# Altium PCB 400442.PcbDoc (part 2 of 4) (continued)
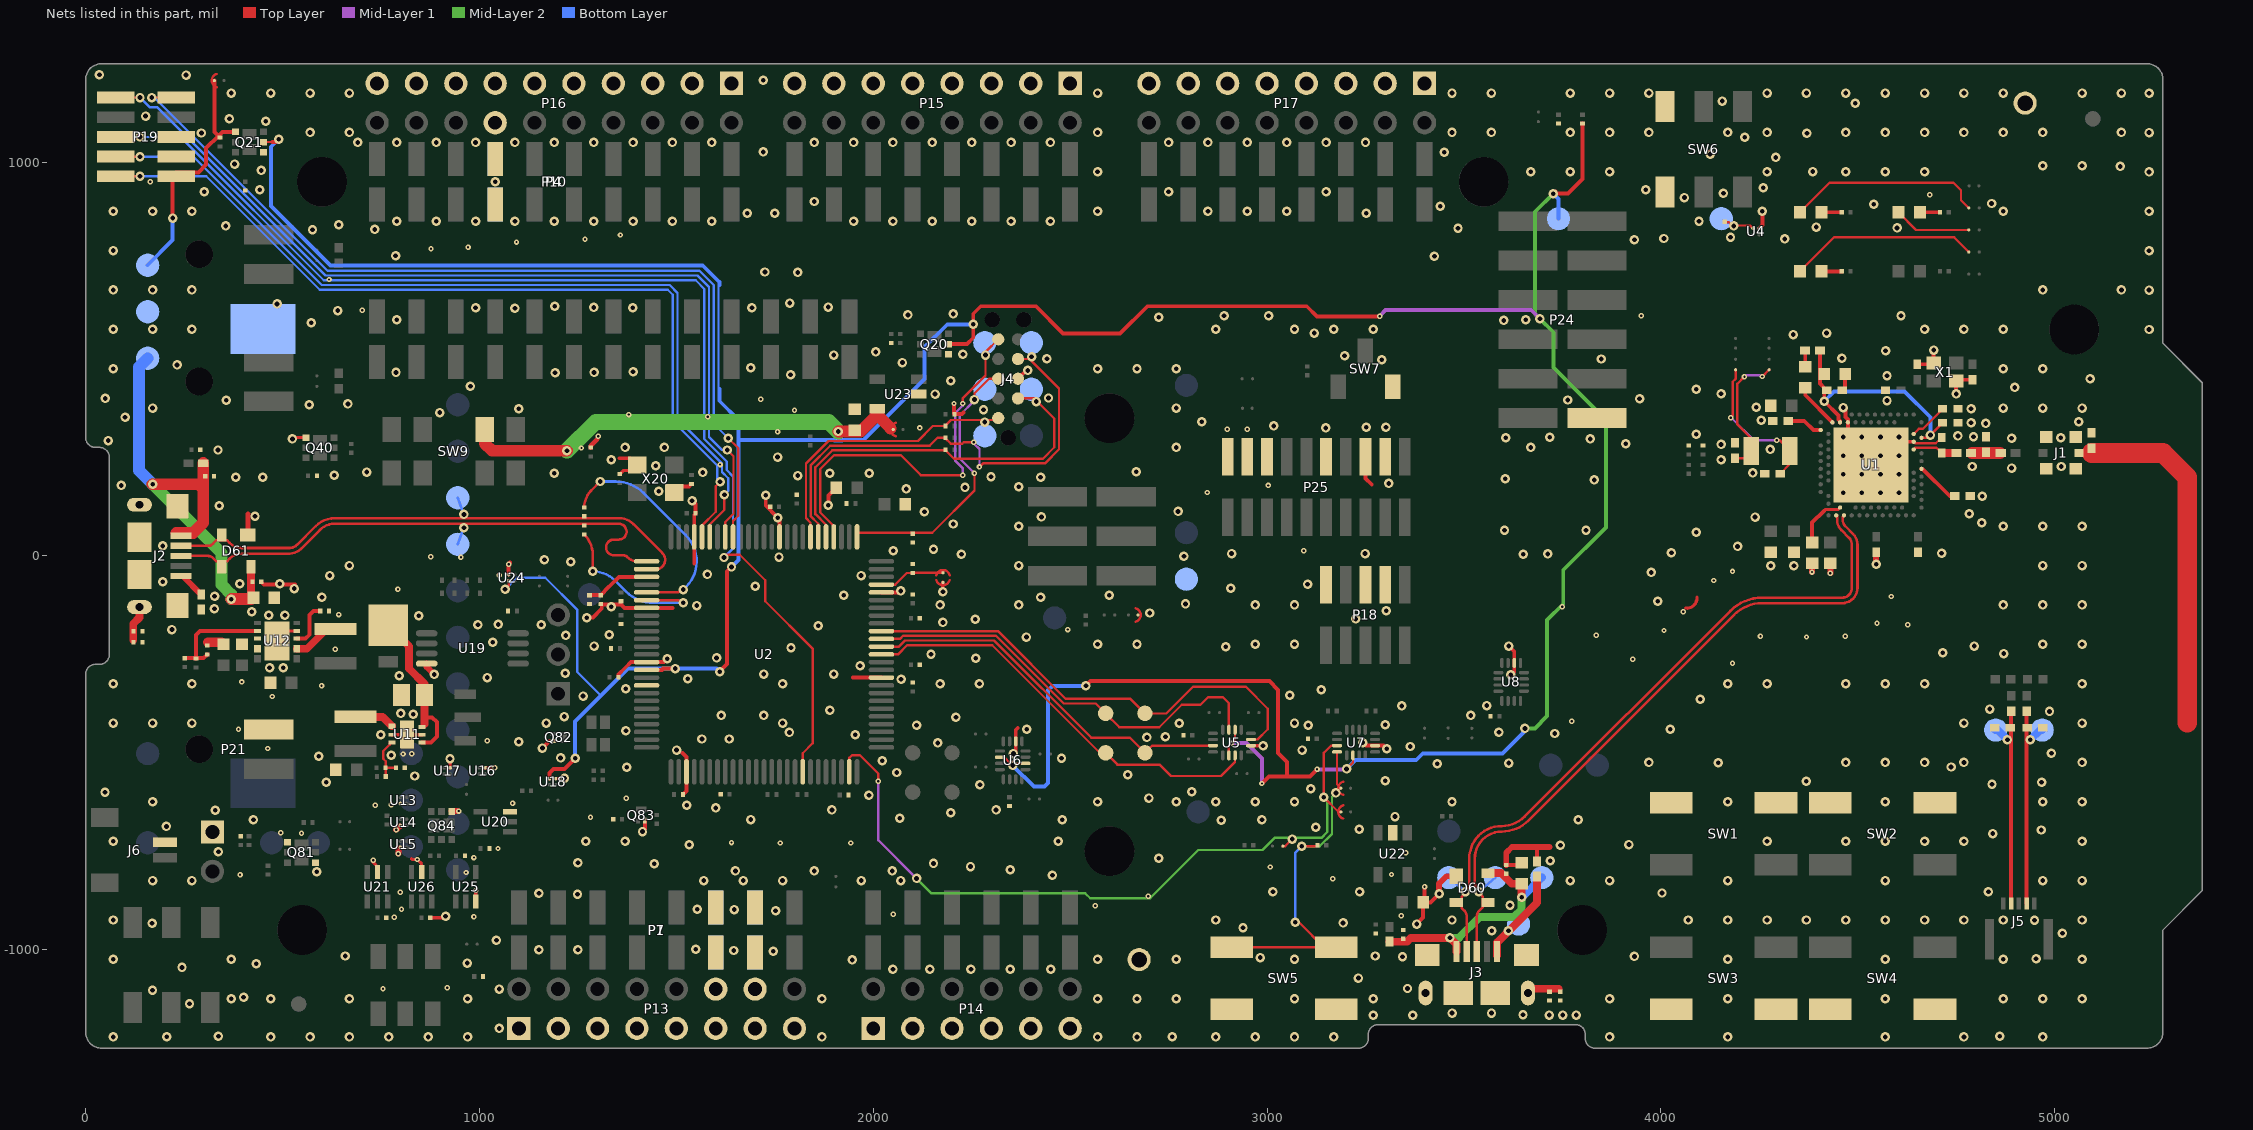
[diagram p4: the nets of this part, all layers, seen from the top]
## Part data (continued)
P28: library part "Pin List 1x3, N.C.", "Pin List 1x3, 2.54mm (100mil)", Part number IPS=N.A., Artikkelnr Noca=N.A., Assembly="Not mounted", ComponentLink1Description=Datasheet, ComponentLink2Description="Supplier link", Footprint Doc=LIST_1x3, LatestRevisionDate=2017-09-07, Part Number="Pin List 1x3, N.C.", Pin Count=3, Published=2017-09-07, Publisher="Nordic Semiconductor"
Q20 Q21 Q40 Q84: library part PMCPB5530X,115, "Mosfet Array N and P-Channel 20V 4A (Ta), 3.4A (Ta) 490mW Surface Mount 6-HUSON-EP (2x2)", Manufacturer=Nexperia, Part number IPS=N.A., Supplier Part Number 1=1727-1327-1-ND, Artikkelnr Noca=N.A., ComponentLink1Description=Datasheet, ComponentLink1URL=https://assets.nexperia.com/documents/data-sheet/PMCPB5530X.pdf, ComponentLink2Description="Supplier link", ComponentLink2URL=https://www.digikey.com/product-detail/en/nexperia-usa-inc/PMCPB5530X115/1727-1327-1-ND/4386339, Footprint Doc=6-UDFN, HelpURL=https://www.nexperia.com/products/mosfets/small-signal-mosfets/PMCPB5530X.html, LatestRevisionDate=2018-04-30, Manufacturer Part Number=PMCPB5530X,115, Part Number=PMCPB5530X,115, Pin Count=8, Published=2018-04-30, Publisher="Nordic Semiconductor", Supplier 1=Digi-Key, Supplier 2=Mouser, Supplier Part Number 2=771-PMCPB5530X115
Q80: "45V NPN high gain power transistor", Manufacturer="Diodes Incorporated", Part number IPS=00000009974, Supplier Part Number 1=FCX690BCT-ND, Artikkelnr Noca=35010019, ComponentLink1Description=Datasheet, ComponentLink2Description="Supplier link", Footprint Doc=SOT-89, HelpURL=http://www.diodes.com/_files/datasheets/FCX690B.pdf, LatestRevisionDate=2016-07-07, Manufacturer Part Number=FCX690BTA, Part Number=FCX690BTA, Pin Count=3, Published=2016-07-07, Publisher="Nordic Semiconductor", Supplier 1=Digi-Key
Q81: "Dual N Ch MOFET, 5.8A, 55mOhm max, 620mW", Manufacturer="Taiwan Semiconductor", Part number IPS=00000001703, Supplier Part Number 1=TSM250N02DCQRFGCT-ND, Artikkelnr Noca=N.A., ComponentLink1Description=Datasheet, ComponentLink1URL=https://www.taiwansemi.com/products/datasheet/TSM250N02D_B15.pdf, ComponentLink2Description="Supplier link", Footprint Doc=VDFN-6, HelpURL=https://www.taiwansemi.com/products/datasheet/TSM250N02D_B15.pdf, LatestRevisionDate=2018-10-31, Manufacturer Part Number="TSM250N02DCQ RFG", Part Number="TSM250N02DCQ RFG", Pin Count=6, Published=2018-10-31, Publisher="Nordic Semiconductor", Supplier 1=Digi-Key
Q82 Q83: "N-Channel MOSFET, 20V, 1A, 470mOhm, 400mW", Manufacturer="Rohm Semiconductor", Part number IPS=00000009976, Supplier Part Number 1=RV2C010UNT2LCT-ND, Artikkelnr Noca=35010020, ComponentLink1Description=Datasheet, ComponentLink2Description="Supplier link", Footprint Doc=DFN-3, HelpURL=http://rohmfs.rohm.com/en/products/databook/datasheet/discrete/transistor/mosfet/rv2c010unt2l-e.pdf, LatestRevisionDate=2016-08-09, Manufacturer Part Number=RV2C010UNT2L, Part Number=RV2C010UNT2L, Pin Count=3, Published=2016-08-09, Publisher="Nordic Semiconductor", Supplier 1=Digi-Key, Supplier 2=Mouser, Supplier Part Number 2=755-RV2C010UNT2L
R1 R2 R30: library part R0201-0R, "Resistor, ±5%, 0.05W", Part number IPS=00000003245, Artikkelnr Noca=N.A., ComponentLink1Description=Datasheet, ComponentLink2Description="Supplier link", Footprint Doc=0201, LatestRevisionDate=2017-11-09, Note="Chip Res 5%", Part Number=R0201-0R, Pin Count=2, Published=2014-11-13, Publisher="Nordic Semiconductor"
R3 R4 R5 R22 R23 R24 R27 R49 R99: library part R0201-10k, "Resistor, ±1%, 0.05W", Part number IPS=00000001255, Artikkelnr Noca=N.A., ComponentLink1Description=Datasheet, ComponentLink2Description="Supplier link", Footprint Doc=0201, LatestRevisionDate=2014-11-13, Note="Chip Res 1%", Part Number=R0201-10k, Pin Count=2, Published=2014-11-13, Publisher="Nordic Semiconductor"
R20 R21 R47 R48 R50 R51: library part R0201-220, "Resistor, ±1%, 0.05W", Part number IPS=00000000863, Artikkelnr Noca=N.A., ComponentLink1Description=Datasheet, ComponentLink2Description="Supplier link", Footprint Doc=0201, LatestRevisionDate=2014-11-13, Note="Chip Res 1%", Part Number=R0201-220, Pin Count=2, Published=2014-11-13, Publisher="Nordic Semiconductor"
R25: library part R0201-6k8, "Resistor, ±1%, 0.05W", Part number IPS=N.A., Artikkelnr Noca=N.A., ComponentLink1Description=Datasheet, ComponentLink2Description="Supplier link", Footprint Doc=0201, LatestRevisionDate=2014-11-13, Note="Chip Res 1%", Part Number=R0201-6k8, Pin Count=2, Published=2014-11-13, Publisher="Nordic Semiconductor"
R26: library part R0201-47k, "Resistor, ±1%, 0.05W", Part number IPS=00000001423, Artikkelnr Noca=N.A., ComponentLink1Description=Datasheet, ComponentLink2Description="Supplier link", Footprint Doc=0201, LatestRevisionDate=2014-11-13, Note="Chip Res 1%", Part Number=R0201-47k, Pin Count=2, Published=2014-11-13, Publisher="Nordic Semiconductor"
R28 R29: library part R0201-150, "Resistor, ±1%, 0.05W", Part number IPS=00000001420, Artikkelnr Noca=N.A., ComponentLink1Description=Datasheet, ComponentLink2Description="Supplier link", Footprint Doc=0201, LatestRevisionDate=2014-11-13, Note="Chip Res 1%", Part Number=R0201-150, Pin Count=2, Published=2014-11-13, Publisher="Nordic Semiconductor"
R40: library part R0201-150k, "Resistor, ±1%, 0.05W", Part number IPS=00000001422, Artikkelnr Noca=N.A., ComponentLink1Description=Datasheet, ComponentLink2Description="Supplier link", Footprint Doc=0201, LatestRevisionDate=2014-11-13, Note="Chip Res 1%", Part Number=R0201-150k, Pin Count=2, Published=2014-11-13, Publisher="Nordic Semiconductor"
R41 R62 R63 R68 R86 R87 R89 R96: library part R0201-1M0, "Resistor, ±1%, 0.05W", Part number IPS=00000001418, Artikkelnr Noca=N.A., ComponentLink1Description=Datasheet, ComponentLink2Description="Supplier link", Footprint Doc=0201, LatestRevisionDate=2014-11-13, Note="Chip Res 1%", Part Number=R0201-1M0, Pin Count=2, Published=2014-11-13, Publisher="Nordic Semiconductor"
R43 R45 R90 R91: library part R0402-N.C., "Not mounted", Part number IPS=N.A., Artikkelnr Noca=N.A., Assembly="Not mounted", ComponentLink1Description=Datasheet, ComponentLink2Description="Supplier link", Footprint Doc=0402, LatestRevisionDate=2009-05-08, Note="Chip Res", Part Number=R0402-N.C., Pin Count=2, Published=2009-05-08, Publisher="Nordic Semiconductor"
R44 R46: library part R0402-0R, "Resistor, ±5%, 0.063W", Part number IPS=00000007128, Supplier Part Number 1=146-9661, Artikkelnr Noca=27049000, ComponentLink1Description=Datasheet, ComponentLink2Description="Supplier link", Footprint Doc=0402, LatestRevisionDate=2009-11-23, Note="Chip Res 5%", Part Number=R0402-0R, Pin Count=2, Published=2009-05-08, Publisher="Nordic Semiconductor", Supplier 1=Farnell
R52 R53 R64 R65 R66 R67: library part R0201-4k7, "Resistor, ±1%, 0.05W", Part number IPS=00000001706, Artikkelnr Noca=N.A., ComponentLink1Description=Datasheet, ComponentLink2Description="Supplier link", Footprint Doc=0201, LatestRevisionDate=2014-11-13, Note="Chip Res 1%", Part Number=R0201-4k7, Pin Count=2, Published=2014-11-13, Publisher="Nordic Semiconductor"
R54: library part R0201-N.C., "Not mounted", Part number IPS=N.A., Artikkelnr Noca=N.A., Assembly="Not mounted", ComponentLink1Description=Datasheet, ComponentLink2Description="Supplier link", Footprint Doc=0201, LatestRevisionDate=2014-11-13, Note="Chip Res", Part Number=R0201-N.C., Pin Count=2, Published=2014-11-13, Publisher="Nordic Semiconductor"
R60 R61: library part R0201-39R, "Resistor, ±1%, 0.05W", Part number IPS=00000001704, Artikkelnr Noca=N.A., ComponentLink1Description=Datasheet, ComponentLink2Description="Supplier link", Footprint Doc=0201, LatestRevisionDate=2014-11-13, Note="Chip Res 1%", Part Number=R0201-39R, Pin Count=2, Published=2014-11-13, Publisher="Nordic Semiconductor"
R69: library part R0201-649, "Resistor, ±1%, 0.05W", Part number IPS=N.A., Artikkelnr Noca=N.A., ComponentLink1Description=Datasheet, ComponentLink2Description="Supplier link", Footprint Doc=0201, LatestRevisionDate=2019-07-16, Note="Chip Res 1%", Part Number=R0201-649, Pin Count=2, Published=2019-07-16, Publisher="Nordic Semiconductor"
R80: library part R0201-270k, "Resistor, ±1%, 0.05W", Part number IPS=N.A., Artikkelnr Noca=N.A., ComponentLink1Description=Datasheet, ComponentLink2Description="Supplier link", Footprint Doc=0201, LatestRevisionDate=2014-11-13, Note="Chip Res 1%", Part Number=R0201-270k, Pin Count=2, Published=2014-11-13, Publisher="Nordic Semiconductor"
R81: library part R0201-30k, "Resistor, ±1%, 0.05W", Part number IPS=N.A., Artikkelnr Noca=N.A., ComponentLink1Description=Datasheet, ComponentLink2Description="Supplier link", Footprint Doc=0201, LatestRevisionDate=2016-04-20, Note="Chip Res 1%", Part Number=R0201-30k, Pin Count=2, Published=2016-04-20, Publisher="Nordic Semiconductor"
R82: library part R0201-330k, "Resistor, ±1%, 0.05W", Part number IPS=00000001424, Artikkelnr Noca=N.A., ComponentLink1Description=Datasheet, ComponentLink2Description="Supplier link", Footprint Doc=0201, LatestRevisionDate=2014-11-13, Note="Chip Res 1%", Part Number=R0201-330k, Pin Count=2, Published=2014-11-13, Publisher="Nordic Semiconductor"
R83: library part R0201-820k, "Resistor, ±1%, 0.05W", Part number IPS=00000001427, Artikkelnr Noca=N.A., ComponentLink1Description=Datasheet, ComponentLink2Description="Supplier link", Footprint Doc=0201, LatestRevisionDate=2014-11-13, Note="Chip Res 1%", Part Number=R0201-820k, Pin Count=2, Published=2014-11-13, Publisher="Nordic Semiconductor"
R84: library part R0201-120k, "Resistor, ±1%, 0.05W", Part number IPS=00000001425, Artikkelnr Noca=N.A., ComponentLink1Description=Datasheet, ComponentLink2Description="Supplier link", Footprint Doc=0201, LatestRevisionDate=2014-11-13, Note="Chip Res 1%", Part Number=R0201-120k, Pin Count=2, Published=2014-11-13, Publisher="Nordic Semiconductor"
R85: library part R0201-470k, "Resistor, ±1%, 0.05W", Part number IPS=00000001428, Artikkelnr Noca=N.A., ComponentLink1Description=Datasheet, ComponentLink2Description="Supplier link", Footprint Doc=0201, LatestRevisionDate=2014-11-13, Note="Chip Res 1%", Part Number=R0201-470k, Pin Count=2, Published=2014-11-13, Publisher="Nordic Semiconductor"
R88 R92 R94: library part R0201-10M, "Resistor, ±1%, 0.05W", Part number IPS=00000001426, Artikkelnr Noca=N.A., ComponentLink1Description=Datasheet, ComponentLink2Description="Supplier link", Footprint Doc=0201, LatestRevisionDate=2014-11-13, Note="Chip Res 1%", Part Number=R0201-10M, Pin Count=2, Published=2014-11-13, Publisher="Nordic Semiconductor"
R93: library part R0201-1k0, "Resistor, ±1%, 0.05W", Part number IPS=00000005786, Artikkelnr Noca=N.A., ComponentLink1Description=Datasheet, ComponentLink2Description="Supplier link", Footprint Doc=0201, LatestRevisionDate=2014-11-13, Note="Chip Res 1%", Part Number=R0201-1k0, Pin Count=2, Published=2014-11-13, Publisher="Nordic Semiconductor"
R95: library part R0201-100k, "Resistor, ±1%, 0.05W", Part number IPS=00000001419, Artikkelnr Noca=N.A., ComponentLink1Description=Datasheet, ComponentLink2Description="Supplier link", Footprint Doc=0201, LatestRevisionDate=2014-11-13, Note="Chip Res 1%", Part Number=R0201-100k, Pin Count=2, Published=2014-11-13, Publisher="Nordic Semiconductor"
R97 R98: library part R0201-4R7, "Resistor, ±1%, 0.05W", Part number IPS=N.A., Artikkelnr Noca=N.A., ComponentLink1Description=Datasheet, ComponentLink2Description="Supplier link", Footprint Doc=0201, LatestRevisionDate=2014-11-13, Note="Chip Res 1%", Part Number=R0201-4R7, Pin Count=2, Published=2014-11-13, Publisher="Nordic Semiconductor"
SB1 SB2 SB5 SB6 SB7 SB8 SB33 SB38 SB40 SB41 SB42 SB50 SB51 SB52 SB53 SB54 SB55 SB56 SB57 SB58 SB60 SB65: library part "Solderbridge Shorted", "Shorted Solderbridge", Part number IPS=N.A., Artikkelnr Noca=N.A., ComponentLink1Description=Datasheet, ComponentLink2Description="Supplier link", Footprint Doc=Solderbridge_Shorted, LatestRevisionDate=2012-08-07, Part Number="Solderbridge Shorted", Pin Count=2, Published=2012-08-07, Publisher="Nordic Semiconductor"
SB3 SB4 SB9 SB30 SB31 SB32 SB34 SB36 SB37 SB39 SB43 SB44 SB45 SB46 SB47 SB48 SB49 SB59 SB80 SB81: Part number IPS=N.A., Artikkelnr Noca=N.A., ComponentLink1Description=Datasheet, ComponentLink2Description="Supplier link", Footprint Doc=Solderbridge, LatestRevisionDate=2009-12-14, Part Number=Solderbridge, Pin Count=2, Published=2009-12-14, Publisher="Nordic Semiconductor"
SW1 SW2 SW3 SW4 SW5: library part Switch-PB-6.2x6.3mm-SMD, "Tactile Switch, SPNO, SMD, 160gf, 6.2x6.3x2.5mm", Manufacturer=Dailywell, Manufacturer Part Number=TS604VM1-025BR-R, Part number IPS=00000007812, Artikkelnr Noca=50019106, ComponentLink1Description=Datasheet, ComponentLink2Description="Supplier link", Footprint Doc=Switch-PB-6.2x6.3mm-SMD, HelpURL=\\hizz\pro\app9717\Datasheet\switches\Dailywell\TS604VM1-025BR-R.pdf, LatestRevisionDate=2016-04-21, Part Number=Switch-PB-6.2x6.3mm-SMD, Pin Count=4, Published=2010-02-01, Publisher="Nordic Semiconductor", Supplier 1=Cabcon, Supplier 2=Mouser, Supplier Part Number 1=TS604VM1-025BR-R, Supplier Part Number 2=688-SKHUALE010
SW6 SW8: "Slide Switch DPDT", Manufacturer=Dailywell, Part number IPS=N.A., Artikkelnr Noca=50019112, ComponentLink1Description=Datasheet, ComponentLink2Description="Supplier link", Footprint Doc=MKH-22D14-G2-B, HelpURL=\\hizz\pro\app9717\Datasheet\switches\Dailywell\MKH-22D14-G2-B.pdf, LatestRevisionDate=2016-08-18, Manufacturer Part Number=MKH-22D14-G2-B, Part Number=MKH-22D14-G2-B, Pin Count=6, Published=2016-08-18, Publisher="Nordic Semiconductor"
SW7: library part CJS-1200TA, "SMD slide Switch (ON-ON)", Manufacturer="Copal Electronics Inc", Part number IPS=00000009982, Supplier Part Number 1=563-1021-2-ND, Artikkelnr Noca=50019068, ComponentLink1Description=Datasheet, ComponentLink2Description="Supplier link", Footprint Doc=CJS-120xA, HelpURL=http://media.digikey.com/pdf/Data%20Sheets/COPAL%20Electronics%20PDFs/CJS.pdf, LatestRevisionDate=2012-10-03, Manufacturer Part Number=CJS-1200TA, Part Number=CJS-1200TA, Pin Count=3, Published=2012-10-03, Publisher="Nordic Semiconductor", Supplier 1=Digi-Key
SW9: "Slide Switch DP3T 300mA 6V", Manufacturer="C&K Components", Part number IPS=N.A., Supplier Part Number 1=CKN10725CT-ND, Artikkelnr Noca=50019116, ComponentLink1Description=Datasheet, ComponentLink2Description="Supplier link", Footprint Doc=Switch-Slide-J-Lead-DP3T-13x3.5mm, HelpURL=http://www.ckswitches.com/media/1422/js.pdf, LatestRevisionDate=2016-10-05, Manufacturer Part Number=JS203011JCQN, Part Number=JS203011JCQN, Pin Count=8, Published=2016-10-05, Publisher="Nordic Semiconductor", Supplier 1=Digi-Key
SW10: "Slide Switch DPDT J Hook", Manufacturer="Copal Electronics Inc", Part number IPS=00000009983, Supplier Part Number 1=CAS220JTR-ND, Artikkelnr Noca=50019042, ComponentLink1Description=Datasheet, ComponentLink2Description="Supplier link", Footprint Doc=CAS-220TA, HelpURL=http://media.digikey.com/pdf/Data%20Sheets/COPAL%20Electronics%20PDFs/CAS%20SMD%20Slide%20Switch.pdf, LatestRevisionDate=2010-02-18, Manufacturer Part Number=CAS-220TA, Part Number=CAS-220TA, Pin Count=6, Published=2010-02-18, Publisher="Nordic Semiconductor", Supplier 1=Digi-Key
TP1 TP2 TP3 TP4 TP5 TP6 TP7 TP8: library part TP_SMD_Ø1.0MM, "1.0mm circular SMD testpad", Manufacturer="Nordic Semiconductor", Part number IPS=N.A., Artikkelnr Noca=N.A., ComponentLink1Description=Datasheet, ComponentLink2Description="Supplier link", Footprint Doc=TP_SMD_Ø1.0mm, LatestRevisionDate=2013-06-11, Part Number=TP_SMD_Ø1.0MM, Pin Count=1, Published=2013-06-11, Publisher="Nordic Semiconductor"
TP9 TP10 TP11 TP12 TP13 TP14 TP15 TP16 TP17 TP18 TP19 TP20 TP21 TP22 TP23 TP24 TP25 TP26 TP27 TP28 TP29 TP30 TP31 TP32 TP33 TP34 TP35 TP36 TP37 TP38 TP39 TP42 TP43 TP44 TP45 TP46 TP47 TP48 TP49 TP50 TP51 TP52 TP53 TP54: library part TP_SMD_Ø1.5MM, "1.0mm circular SMD testpad", Manufacturer="Nordic Semiconductor", Part number IPS=N.A., Artikkelnr Noca=N.A., ComponentLink1Description=Datasheet, ComponentLink2Description="Supplier link", Footprint Doc=TP_SMD_Ø1.5mm, LatestRevisionDate=2016-06-02, Part Number=TP_SMD_Ø1.5MM, Pin Count=1, Published=2016-06-02, Publisher="Nordic Semiconductor"
TP40 TP41: library part "Testpoint TH", "Testpoint, through hole", Part number IPS=N.A., Artikkelnr Noca=N.A., ComponentLink1Description=Datasheet, ComponentLink2Description="Supplier link", Footprint Doc=TESTPAD-TH, LatestRevisionDate=2009-12-12, Part Number="Testpoint TH", Pin Count=1, Published=2009-12-12, Publisher="Nordic Semiconductor"
U1: "Multi-protocol Bluetooth Low Energy, IEEE 802.15.4, ANT and 2.4GHz proprietary system-on-chip", Manufacturer="Nordic Semiconductor", Part number IPS=N.A., Artikkelnr Noca=N.A., ComponentLink1Description=Datasheet, ComponentLink2Description="Supplier link", Footprint Doc=AQFN-73, LatestRevisionDate=2019-10-01, Manufacturer Part Number=nRF52833-QIAAA0, Part Number=nRF52833-QIAAA0, Pin Count=73, Published=2019-10-01, Publisher="Nordic Semiconductor", Supplier 1="Nordic Semiconductor", Supplier Part Number 1=nRF52833-QIAAA0
U2: "IC MCU 32bit 128kB flash 100LQFP", Manufacturer=Atmel, Part number IPS=N.A., Supplier Part Number 1=ATSAM3U2CA-AU-ND, Artikkelnr Noca=15019073, ComponentLink1Description=Datasheet, ComponentLink2Description="Supplier link", Footprint Doc=LQFP-100, HelpURL=http://www.atmel.com/Images/6430s.pdf, LatestRevisionDate=2012-06-01, Manufacturer Part Number=ATSAM3U2CA-AU, Part Number=ATSAM3U2CA-AU, Pin Count=100, Published=2012-06-01, Publisher="Nordic Semiconductor", Supplier 1=Digi-Key, Supplier 2=Farnell, Supplier Part Number 2=184-1662
U4 U13 U14 U15 U16 U17 U18 U24: "Semtech, 2A Low Vin, Very Low Ron, Load Switch, 4DSBGA", Manufacturer="Semtech Corporation", Part number IPS=N.A., Supplier Part Number 1=SC728CSTRTCT-ND, Artikkelnr Noca=15070081, ComponentLink1Description=Datasheet, ComponentLink2Description="Supplier link", Footprint Doc=WCSP-4, HelpURL=http://www.semtech.com/images/datasheet/sc728.pdf, LatestRevisionDate=2015-01-01, Manufacturer Part Number=SC728CSTRT, Part Number=SC728CSTRT, Pin Count=4, Published=2016-06-16, Publisher="Nordic Semiconductor", Supplier 1=Digi-Key, Supplier 2=Mouser, Supplier Part Number 2=947-SC728CSTRT
U5 U6 U7 U8: "Data / Audio Low-Voltage Dual DPDT Analog Switch", Manufacturer="ON Semiconductor", Part number IPS=00000009986, Supplier Part Number 1=FSA2466UMXCT-ND, Artikkelnr Noca=15070069, ComponentLink1Description=Datasheet, ComponentLink2Description="Supplier link", Footprint Doc=UFQFN-16, HelpURL=https://www.onsemi.com/pub/Collateral/FSA2466-D.PDF, LatestRevisionDate=2019-05-15, Manufacturer Part Number=FSA2466UMX, Part Number=FSA2466UMX, Pin Count=16, Published=2016-05-18, Publisher="Nordic Semiconductor", Supplier 1=Digi-Key, Supplier 2=Mouser, Supplier Part Number 2=512-FSA2466UMX
U11: library part XC9236D08CER-G, "600mA Driver Transistor Built-In, Synchronous Step-Down DC/DC Converters", Manufacturer="Torex Semiconductor", Part number IPS=N.A., Supplier Part Number 1=865-XC9236D08CER-G, Artikkelnr Noca=17030085, ComponentLink1Description=Datasheet, ComponentLink2Description="Supplier link", Footprint Doc=USP-6C, HelpURL=http://www.torexsemi.com/products/dcdc_converters/data/XC9235~37.pdf, LatestRevisionDate=2017-11-15, Manufacturer Part Number=XC9236D08CER-G, Part Number=XC9236D08CER-G, Pin Count=6, Published=2017-11-15, Publisher="Nordic Semiconductor", Supplier 1=Mouser, Supplier 2=Digi-Key, Supplier Part Number 2=XC9236D08CER-G-ND
U12: library part XC9131H05CDR-G, "1A Driver Transistor Built-In, Multi Functional Step-Up DC/DC Converter", Manufacturer="Torex Semiconductor", Part number IPS=N.A., Supplier Part Number 1=XC9131H05CDR-G-ND, Artikkelnr Noca=17030086, ComponentLink1Description=Datasheet, ComponentLink2Description="Supplier link", Footprint Doc=UFDFN-10, HelpURL=http://www.torexsemi.com/products/dcdc_converters/data/XC9131.pdf, LatestRevisionDate=2016-08-08, Manufacturer Part Number=XC9131H05CDR-G, Part Number=XC9131H05CDR-G, Pin Count=10, Published=2016-08-08, Publisher="Nordic Semiconductor", Supplier 1=Digi-Key
U19: "Precision very low power CMOS dual operational amplifier", Manufacturer=STMicroelectronics, Part number IPS=00000009991, Supplier Part Number 1=497-8085-1-ND, Artikkelnr Noca=17010019, ComponentLink1Description=Datasheet, ComponentLink2Description="Supplier link", Footprint Doc=TSSOP-8, HelpURL=http://www.st.com/content/ccc/resource/technical/document/datasheet/38/5b/ca/bd/c0/26/4a/34/CD00000880.pdf/files/CD00000880.pdf/jcr:content/translations/en.CD00000880.pdf, LatestRevisionDate=2016-07-07, Manufacturer Part Number=TS27L2IPT, Part Number=TS27L2IPT, Pin Count=8, Published=2016-07-07, Publisher="Nordic Semiconductor", Supplier 1=Digi-Key
U20 U25: library part 74LVC1G08GW, "Single 2-Input AND Gate", Manufacturer="NXP Semiconductors", Part number IPS=00000009992, Supplier Part Number 1=568-1580-1-ND, Artikkelnr Noca=15049058, ComponentLink1Description=Datasheet, ComponentLink2Description="Supplier link", Footprint Doc=SC70-5, HelpURL=http://www.nxp.com/documents/data_sheet/74LVC1G08.pdf, LatestRevisionDate=2016-10-18, Manufacturer Part Number=74LVC1G08GW, Note="Single 2-Input AND Gate", Part Number=74LVC1G08GW, Pin Count=5, Published=2016-10-18, Publisher="Nordic Semiconductor", Supplier 1=Digi-Key, Supplier 2=Farnell, Supplier Part Number 2=242-8299
U21 U26: library part 74LVC1G11GW, "Single 3-input AND gate", Manufacturer="NXP Semiconductors", Part number IPS=00000001430, Supplier Part Number 1=568-7757-1-ND, Artikkelnr Noca=15079348, ComponentLink1Description=Datasheet, ComponentLink2Description="Supplier link", Footprint Doc=SC70-6, HelpURL=http://www.nxp.com/documents/data_sheet/74LVC1G11.pdf, LatestRevisionDate=2016-10-18, Manufacturer Part Number=74LVC1G11GW, Note="Single 3-input AND gate", Part Number=74LVC1G11GW, Pin Count=6, Published=2016-10-18, Publisher="Nordic Semiconductor", Supplier 1=Digi-Key, Supplier 2=Farnell, Supplier Part Number 2=243-8826
U22 U23: library part TCK106AF,LF, "1.0 A Load Switch IC with Slew Rate Control Driver in Small Package", Manufacturer=Toshiba, Part number IPS=00000007823, Supplier Part Number 1=TCK106AFLFCT-ND, Artikkelnr Noca=15070086, ComponentLink1Description=Datasheet, ComponentLink2Description="Supplier link", Footprint Doc=SOT-25, HelpURL=https://toshiba.semicon-storage.com/info/docget.jsp?did=53240&prodName=TCK108AF, LatestRevisionDate=2016-09-29, Manufacturer Part Number=TCK106AF,LF, Part Number=TCK106AF,LF, Pin Count=5, Published=2016-09-29, Publisher="Nordic Semiconductor", Supplier 1=Digi-Key
X1: library part XTAL_SMD2016_32MHz_8pF_Golledge, "XTAL SMD 2016, 32MHz, Cl=8pF, Tol: ±10ppm, Stab: ±15ppm", Manufacturer=Golledge, Manufacturer Part Number=MP06003, Part number IPS=00000001431, Artikkelnr Noca=22010050, ComponentLink1Description=Datasheet, ComponentLink2Description="Supplier link", Footprint Doc=XTAL_2016, HelpURL=\\hizz\pro\app9717\Datasheet\crystals\Golledge\mp06003.pdf, LatestRevisionDate=2016-11-02, Note="XTAL SMD 32.000MHz", Part Number=XTAL_SMD2016_32MHz_8pF_Golledge, Pin Count=4, Published=2016-11-02, Publisher="Nordic Semiconductor", Supplier 1="Link Nordic"
X2: library part XTAL_SMD3215_32.768kHz_9pF_NDK, "XTAL SMD 3215, 32.768kHz, 9pF, ±20ppm", Manufacturer=NDK, Manufacturer Part Number=NX3215SA-32.768K-STD-MUA-9, Part number IPS=00000005419, Artikkelnr Noca=22010049, ComponentLink1Description=Datasheet, ComponentLink2Description="Supplier link", Footprint Doc=XTAL_3215, LatestRevisionDate=2017-10-23, Note="XTAL SMD 32.768kHz", Part Number=XTAL_SMD3215_32.768kHz_9pF_NDK, Pin Count=2, Published=2017-10-23, Publisher="Nordic Semiconductor"
X20: library part XTAL_SMD3225_12MHz_18pF_TXC, "XTAL SMD 3225, 12MHz, Cl=18pF, Tol: ±30ppm, Stab: ±30ppm", Manufacturer="TXC Corporation", Manufacturer Part Number=7M-12.000MAAJ-T, Part number IPS=N.A., Supplier Part Number 1=887-1121-1-ND, Artikkelnr Noca=22019166, ComponentLink1Description=Datasheet, ComponentLink2Description="Supplier link", Footprint Doc=XTAL_3225, HelpURL=http://www.txccrystal.com/images/pdf/7m.pdf, LatestRevisionDate=2014-11-27, Note="XTAL SMD 12.000MHz", Part Number=XTAL_SMD3225_12MHz_18pF_TXC, Pin Count=4, Published=2010-08-31, Publisher="Nordic Semiconductor", Supplier 1=Digi-Key, Supplier 2=Farnell, Supplier Part Number 2=184-2056

## Free pads (board coordinates)
  round 126 hole 126 unplated: 1(550,-950) 1(600,950) 1(2600,-750) 1(2600,350) 1(3550,950) 1(3800,-950) 1(5050,575)
  round 13.78 on Mech16: 1(4425.73,191.63) 1(4425.73,211.31) 1(4425.73,231) 1(4425.73,250.68) 1(4425.73,270.37) 1(4494.63,122.73) 1(4494.63,339.27) 1(4504.47,103.05) 1(4514.31,122.73) 1(4514.31,339.27) 1(4524.16,103.05) 1(4534,122.73) 1(4534,339.27) 1(4553.68,122.73) 1(4553.68,339.27) 1(4573.37,122.73) 1(4573.37,339.27) 1(4593.05,122.73) 1(4593.05,339.27) 1(4612.74,122.73) 1(4642.27,152.26) 1(4642.27,171.94) 1(4642.27,191.63) 1(4642.27,211.31)

## Via types
v1: diameter 24, hole 12, Top Layer to Bottom Layer, tented both sides, 1085 vias
v2: diameter 13.78, hole 5.91, Top Layer to Mid-Layer 1, tented both sides, 161 vias
v3: diameter 13.78, hole 5.91, Top Layer to Mid-Layer 1, tented top, 32 vias
v4: diameter 23.62, hole 11.81, Top Layer to Bottom Layer, tented both sides, 8 vias
v5: diameter 19.68, hole 9.84, Top Layer to Bottom Layer, tented both sides, 1 vias

## Nets (pads, with @x,y where several pads share a name; then routed paths per layer and width w, separated by ;. In a path a pad name is that pad's centre, name@x,y a point inside that pad or via, vN(x,y) a via of type N, cw(c..) or ccw(c..) an arc to the next point about the centre after c; other vN are vias at no path point)
ANT: C23.1 J1.3 | length 891.8
  Top Layer w50: 5094,261.46 5275.28,261.46 5336.67,200.07 5336.67,-423.61
BOOT/RESET: R54.1 SB43.1 SW5.2 U7.16 | length 920
  Top Layer w5.91: SW5.2@2910.12,-994.03 SW5.2@3175.87,-994.03 ; v1(3072,-930) 3080.35,-930 SW5.2@3146.17,-995.83 ; v1(3088,-737) 3125.78,-737 R54.1@3127.78,-735 ; v1(3175,-602) 3187,-590 3187,-589.3 3177.77,-580.07 U7.16@3177.77,-497.62 U7.16@3176.38,-497.62
  Mid-Layer 2 w5.91: v1(3088,-737) 3134,-737 3165,-706 3165,-612 v1(3175,-602)
  Bottom Layer w5.91: v1(3072,-930) 3072,-753 v1(3088,-737)
D*_N: D60.2 J3.2 TP13.1 U1.AD4 | length 1775.5
  Top Layer w6.5: J3.2@3507.34,-1014.37 3507.34,-915.54 ccw(c3487.34,-915.54) 3501.48,-901.4 3494,-893.92 3494,-865.65 3505.72,-853.92 ccw(c3469.05,-828.85) 3513.48,-828.85 3513.48,-768.52 cw(c3596,-768.52) 3596,-686 ccw(c3596,-603.92) 3654.04,-661.96 4176.67,-139.33 cw(c4257.34,-220) 4257.34,-105.91 4460.45,-105.91 ccw(c4460.45,-81) 4485.36,-81 4485.36,28.22 ccw(c4460.22,28.22) 4478,46 4458.44,65.56 cw(c4483.87,91) 4447.9,91 ; U1.AD4@4445.42,103.05 4448.13,100.34 4448.13,91
  Bottom Layer w6.5: TP13.1@3461.69,-816.93 v1(3504.03,-852.76)
D*_P: D60.3 J3.3 TP14.1 U1.AD6 | length 1776.9
  Top Layer w6.5: J3.3@3532.83,-1014.46 3532.83,-915.54 cw(c3552.83,-915.54) 3538.69,-901.4 3548,-892.09 3548,-866.69 3535.48,-854.16 cw(c3571.99,-828.85) 3527.56,-828.85 3527.56,-768.44 cw(c3596,-768.44) 3596,-700 ccw(c3596,-603.63) 3664.15,-671.77 4186.63,-149.29 cw(c4257.34,-220) 4257.34,-120 4460.45,-120 ; 4460.45,-120.02 ccw(c4460.45,-81) 4499.46,-81 4499.46,28.22 ccw(c4460.22,28.22) 4487.97,55.97 4468.41,75.53 cw(c4483.87,91) 4462,91 4462,99.94 U1.AD6@4465.1,103.05
  Bottom Layer w6.5: v1(3537.49,-852.76) TP14.1@3579.8,-816.93
DEC1: C5.1 U1.C1 | length 91.9
  Top Layer w9.84: C5.1@4323.77,342.73 4364.2,342.73 4387.35,319.58 U1.C1@4406.05,319.58
DEC3: C11.1 U1.D23 | length 100
  Top Layer w5.91: U1.D23@4642.27,309.74 4642.49,309.74 4655.28,322.53 4665.12,322.53 4715.1,372.51 C11.1@4715.1,373.72
DEC4_6: C10.2 C14.2 C15.1 L4.1 U1.B5 U1.E24 | length 625.6
  Top Layer w5.91: U1.E24@4661.95,299.9 4677.7,299.9 v1(4684.59,306.79) 4715.1,337.3 C10.2@4715.1,338.28
  Top Layer w9.84: L4.1@4404.08,521.35 4404.08,437.69 4414.9,426.87 v1(4414.9,392.89) 4451.32,356.48 4451.32,346.21 4455.26,342.27 U1.B5@4455.26,339.27
  Bottom Layer w9.84: v1(4414.9,392.89) 4440.01,418 4618.65,418 4684.59,352.06 v1(4684.59,306.79)
DFSD_N: R60.1 U2.80 | length 598.6
  Top Layer w6.5: R60.1@1266.01,123.16 cw(c1326.97,123.16) 1274.39,154 cw(c1326.97,123.16) 1283.87,166.26 v1(1306.61,189) ; U2.80@1424.38,-92.42 1498.61,-92.42 ; 1500.33,-92.42 ccw(c1500.33,-67.98) v1@1517.61,-85.26
  Bottom Layer w6.5: v1(1306.61,189) 1346.18,189 cw(c1346.18,89) 1416.89,159.71 1523.32,53.28 cw(c1455.04,-15) 1551.61,-15 cw(c1463.82,-15) 1525.89,-77.08 v1(1517.61,-85.36)
DFSD_P: R61.1 U2.81 | length 449.2
  Top Layer w6.5: R61.1@1266.02,54.48 cw(c1213.89,2.36) 1287.61,2.36 v1(1287.61,-39) ; U2.81@1424.38,-112.21 1499.61,-112.21 ; 1500.33,-112.21 cw(c1500.33,-136.64) v1@1517.61,-119.36
  Bottom Layer w6.5: v1(1287.61,-39) cw(c1287.61,-118.67) 1343.94,-62.33 1371.68,-90.07 ccw(c1442.39,-19.36) 1442.39,-119.36 v1@1517.61,-119.36
  other v1: 1517.61,-119.26
DHSD_N: D61.2 J2.2 R60.2 TP10.1 U2.77 | length 1480
  Top Layer w6.5: J2.2@241.84,25.5 309.61,25.5 ccw(c309.61,45.5) 323.75,31.35 332.39,40 358.32,40 365.26,33.06 ccw(c396.68,64.47) 396.68,20.05 517.83,20.05 ccw(c517.83,46.66) 536.65,27.84 584.24,75.44 ; D61.2@345.2,53.12 D61.2@345.2,53.35 ; 584.14,75.54 cw(c632.81,26.88) 632.41,95.7 ; 632.81,95.7 ccw(c632.81,26.88) 632.41,95.7 ; U2.77@1424.38,-33.47 U2.77@1447.79,-33.47 ; D61.2@345.2,53.35 cw(c343.89,53.35) 344.82,52.43 ccw(c343.89,53.35) D61.2@345.2,53.35 ; 632.41,95.7 1354.62,95.7 cw(c1354.62,44.32) 1390.96,80.65 1464.68,6.93 ; 1464.68,6.93 cw(c1447.79,-9.96) 1447.79,-33.83 ccw(c1447.79,-9.96) 1464.68,6.93
  Bottom Layer w6.5: TP10.1@944.88,147.64 v1(960.63,105.31)
DHSD_P: D61.3 J2.3 R61.2 TP9.1 U2.76 | length 1421.6
  Top Layer w6.5: J2.3@241.84,0 309.61,0 cw(c309.61,-20) 323.75,-5.86 331.89,-14 358.31,-14 365.26,-7.05 cw(c396.67,-38.47) 396.67,5.96 517.61,5.96 ccw(c517.61,47) 546.62,17.98 594.78,66.13 ; D61.3@345.2,-27.35 D61.3@345.2,-27.11 ; 594.57,65.93 cw(c632.41,28.1) 594.78,66.13 ; 594.98,66.33 594.78,66.13 ; 1341.42,1.5 cw(c1341.42,21.5) 1341.42,41.5 ; 1341.61,1.5 1365.35,1.5 cw(c1365.35,-12.16) 1375.01,-2.5 ccw(c1402.24,24.73) 1402.24,-13.78 U2.76@1424.38,-13.78 ; 1341.81,41.5 1353.62,41.5 ccw(c1353.62,61.5) 1353.62,81.5 ; 1354.62,81.6 632.41,81.6 ccw(c632.41,28.1) 594.78,66.13
  Bottom Layer w6.5: TP9.1@944.88,29.53 v1(960.63,71.85)
EXT_GND_DETECT: P19.9 U2.67 | length 2356.8
  Top Layer w5.91: v1(168,1164) P19.9@229.76,1164 ; v1(1632,299) 1657,274 1657,242 1657,216 1657,210 1657,102.13 1643.87,89 U2.67@1643.87,48.23
  Bottom Layer w5.91: v1(168,1164) 174.29,1164 614.29,724 1558.94,724 1595,687.94 1595,336 v1(1632,299)
EXT_RESET: P19.10 U2.68 | length 2383.1
  Top Layer w5.91: P19.10@76.22,1164 v1(137.98,1164) ; U2.68@1624,48.41 U2.68@1624.18,48.23 1624.18,82 1624.18,86.29 1645,107.1 1645,253 v1(1629,269)
  Bottom Layer w5.91: v1(137.98,1164) 162.98,1139 182.32,1139 609.32,712 1553.97,712 1583,682.97 1583,301.71 1615.71,269 v1(1629,269)
EXT_SWDCLK: P19.4 U2.70 | length 2262.8
  Top Layer w5.91: P19.4@76.22,1014 v1(137.98,1014) ; U2.70@1584.81,48.23 1584.81,79.84 1622,117.03 v1(1622,155)
  Bottom Layer w5.91: v1(137.98,1014) 273.38,1014 599.38,688 1482.97,688 1503,667.97 1503,347.77 1616,234.77 1616,213 1632,197 1632,165 v1(1622,155)
EXT_SWDIO: P19.2 U2.71 | length 2222.9
  Top Layer w5.91: P19.2@76.22,964 v1(137.98,964) ; U2.71@1565.13,48.23 1565.13,77.13 1600,112 1600,177 v1(1611,188)
  Bottom Layer w5.91: v1(137.98,964) 306.41,964 594.41,676 1478,676 1491,663 1491,342.8 1604,229.8 1604,195 v1(1611,188)
EXT_SWO: P19.6 U2.18 | length 3057.6
  Top Layer w5.91: P19.6@76.22,1064 v1(137.98,1064) ; v1(1621,-4) 1628,3 1661,3 1726,-62 1726,-115 1846,-235 1846,-476 1821.03,-500.97 U2.18@1821.03,-548.23